# Altium PCB Team02TH.PcbDoc
Units mm, origin at the board's own origin, x right, y up, seen from the top; angles counter-clockwise.
Board outline 85 x 80 mm, 2 copper layers (Top Layer, Bottom Layer); 56 components, 37 nets, 186 pads, 18 vias.
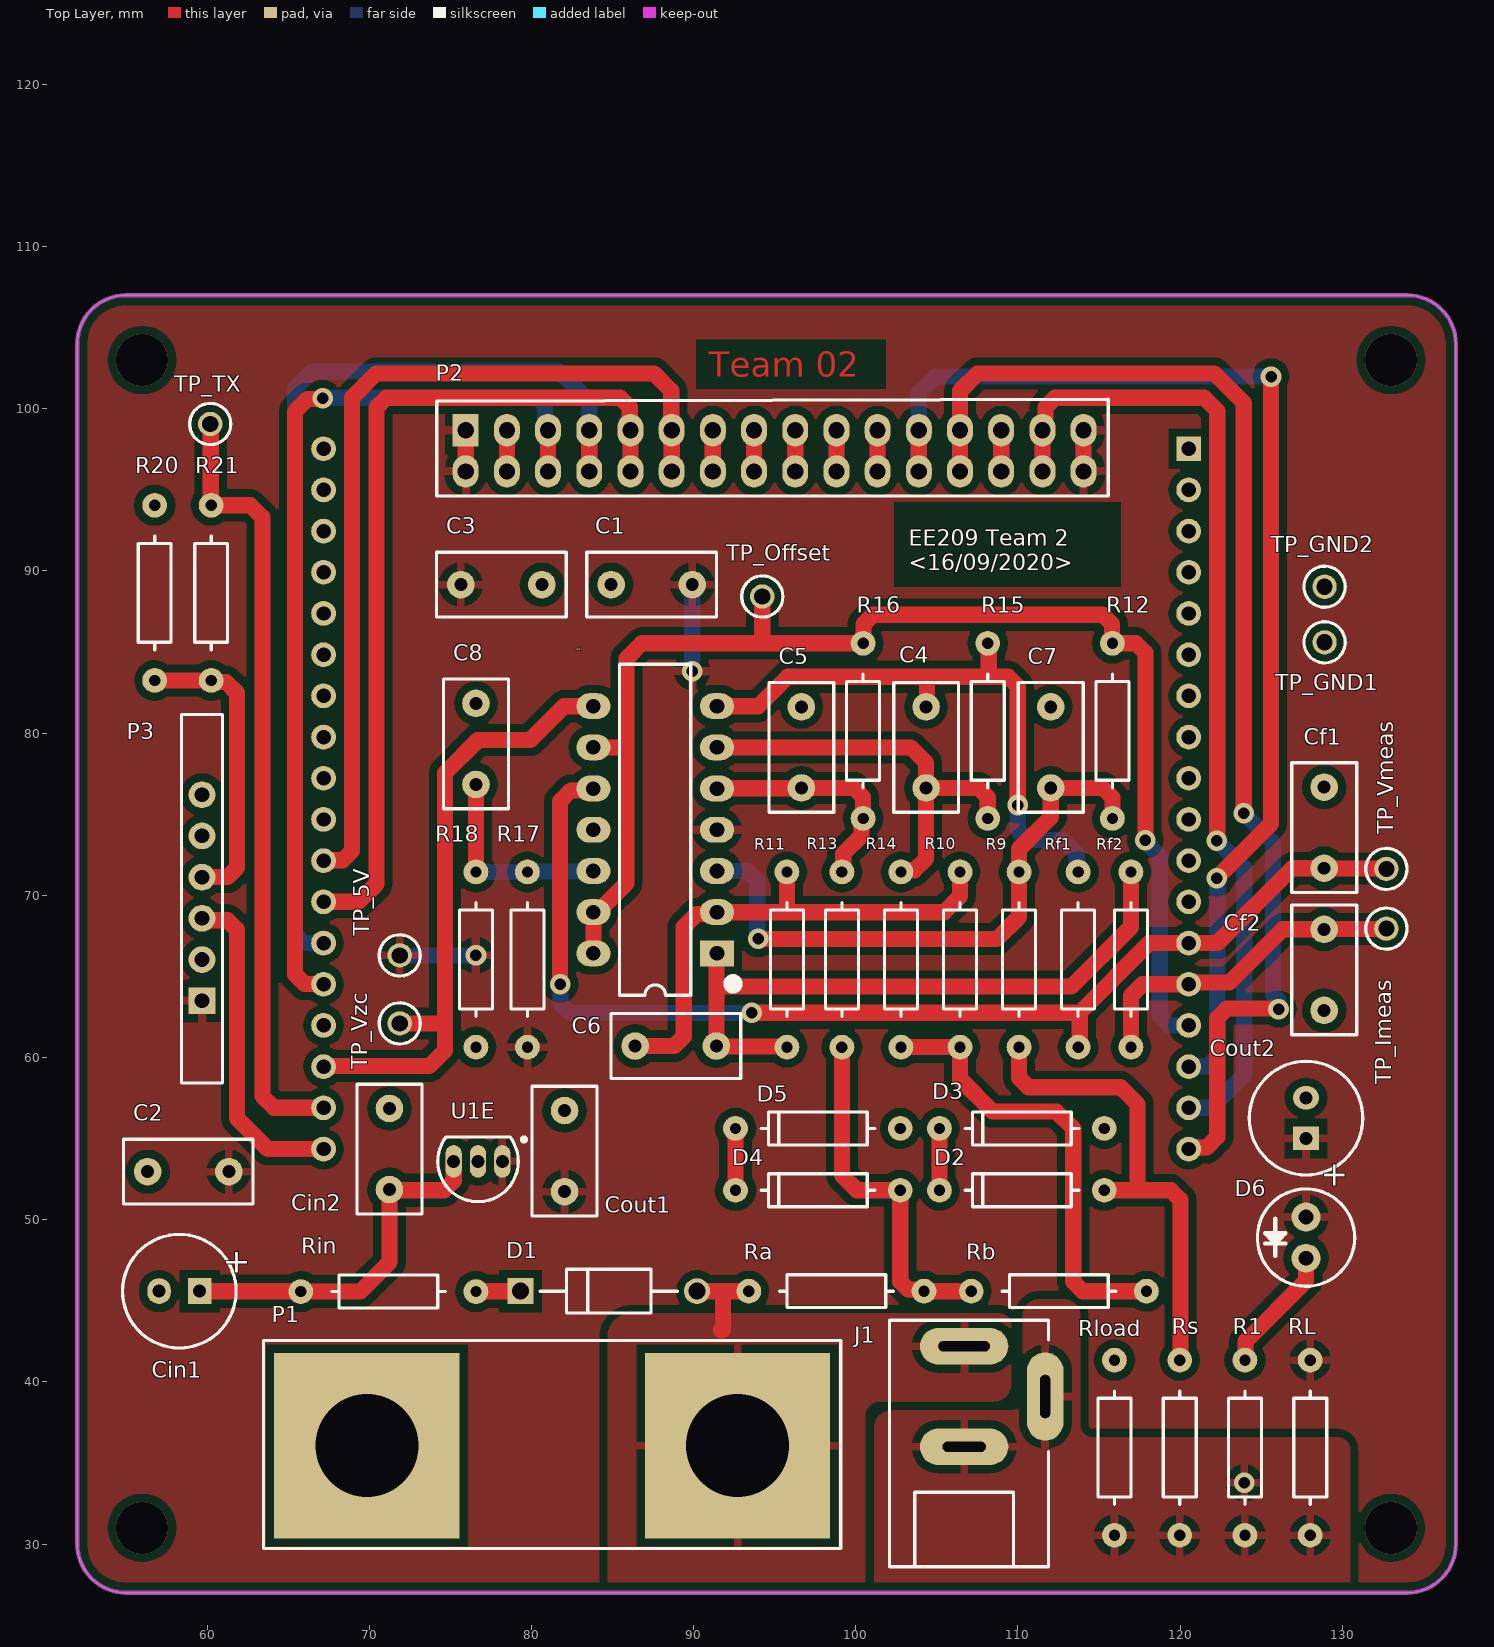
[diagram p0: Top Layer view]
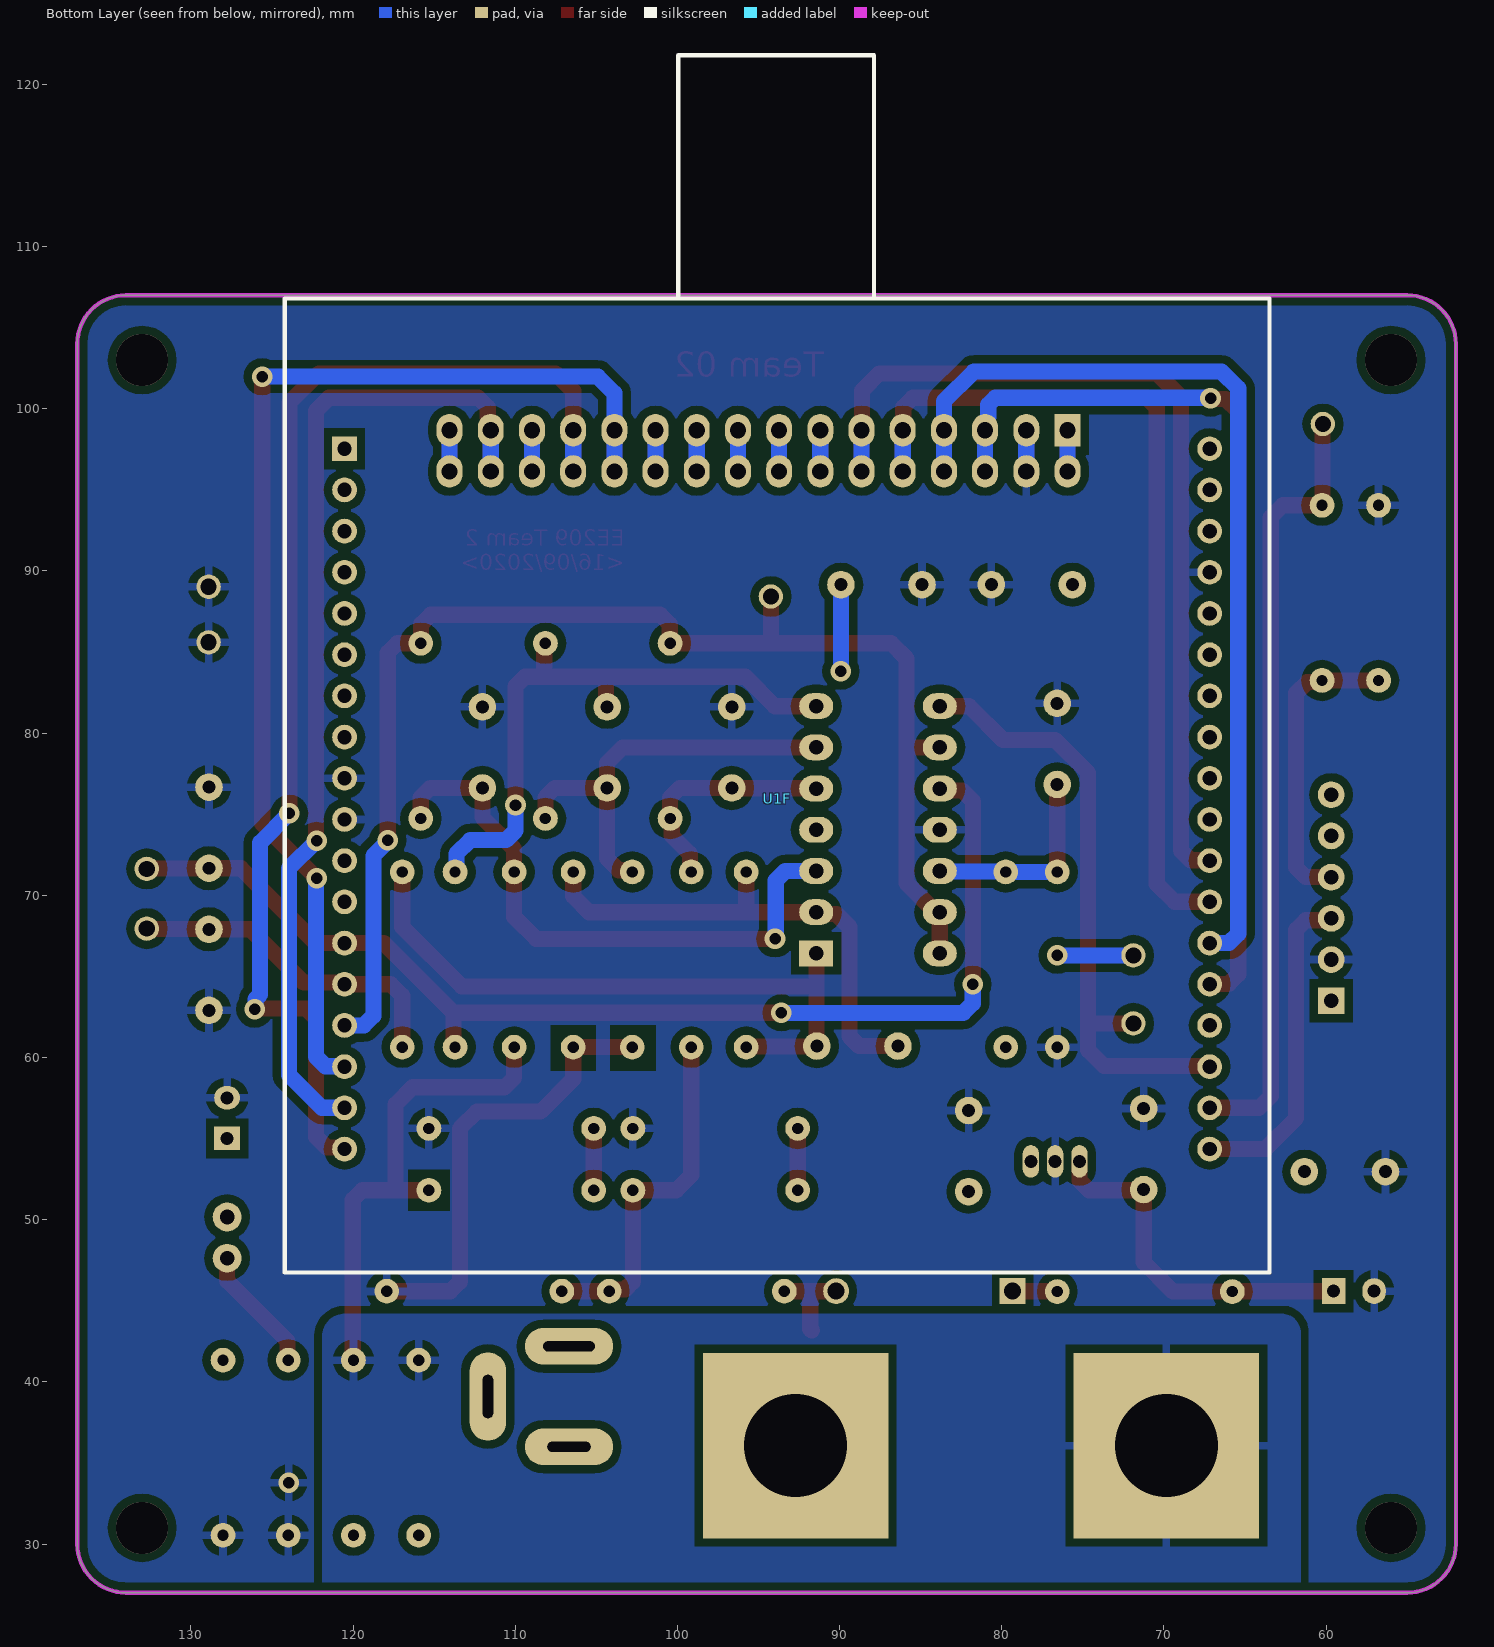
[diagram p1: Bottom Layer view, seen from below]

## Layer stack, top to bottom
Top Solder: solder mask 0.0102, Solder Resist, Dk 3.5
Top Layer: signal copper 0.0356
Dielectric 1: dielectric 0.32, FR-4, Dk 4.8
Bottom Layer: signal copper 0.0356
Bottom Solder: solder mask 0.0102, Solder Resist, Dk 3.5

## Board outline
52,30 ccw(c55,30) 55,27 134,27 ccw(c134,30) 137,30 137,104 ccw(c134,104) 134,107 55,107 ccw(c55,104) 52,104

## Design rules (kind name [scope] priority, off if disabled: settings)
Clearance [All] p1: gap=0.5 ignorepadtopadclearanceinfootprint=FALSE
Height [All] p1: minheight=0 maxheight=100 prefheight=12.7
HoleSize [All] p1: absolutevalues=TRUE maxlimit=10 minlimit=0.5 maxpercent=80.000 minpercent=20.000
PolygonConnect [All] p1: connectstyle=Relief reliefconductorwidth=0.5 reliefentries=4 polygonreliefangle="90 Angle" airgapwidth=0.5
RoutingVias [All] p1: holewidth=0.711 width=1.27 viastyle="Through Hole" minholewidth=0.711 minwidth=1.27 maxholewidth=0.711 maxwidth=1.27
SilkToSilkClearance [All] p1: silktosilkclearance=0.1
SilkToSolderMaskClearance [IsPad] p1: minsilkscreentomaskgap=0.1 clearancetoexposedcopper=TRUE
SolderMaskExpansion [All] p1: expansion=0.102 istentingtop=FALSE
Width [All] p1: maxlimit=10 minlimit=0.5 preferedwidth=1
26 further rules are at their usual default settings.

## Components (designator, comment, footprint, x,y, rotation, side; value= is the part's Value field where it differs from the comment)
C1 "100n" CCAP-5P0 87.416,89.154 r180 top
C2 "100n" CCAP-5P0 58.841,52.959 r180 top
C3 "100n" CCAP-5P0 78.145,89.154 r0 top
C4 "100n" CCAP-5P0 104.334,79.121 r270 top
C5 "100n" CCAP-5P0 96.647,79.121 r90 top
C6 "100n" CCAP-5P0 88.9,60.706 r180 top
C7 "100n" CCAP-5P0 112.021,79.121 r90 top
C8 "100n" CCAP-5P0 76.581,79.335 r90 top
Cf1 "4n8" CCAP-5P0 128.881,74.168 r90 top value=4n7
Cf2 "4n8" CCAP-5P0 128.881,65.405 r270 top value=4n7
Cin1 "470u" "CAP-RAD-2.5mm Pitch" 58.293,45.593 r180 top value=47u
Cin2 "100n" CCAP-5P0 71.247,54.356 r90 top
Cout1 "100n" CCAP-5P0 82.042,54.229 r90 top
Cout2 "470u" "CAP-RAD-2.5mm Pitch" 127.762,56.261 r90 top value=27u
D1 "1N4007" 1N4007-MFG 84.77,45.593 r0 top
D2 "BZX79-CXVX" AXIAL-Zener-0.4 110.241,51.816 r180 top
D3 "BZX79-CXVX" AXIAL-Zener-0.4 110.241,55.626 r180 top
D4 "BZX79-CXVX" AXIAL-Zener-0.4 97.663,51.816 r180 top
D5 "BZX79-CXVX" AXIAL-Zener-0.4 97.663,55.626 r180 top
D6 "Green" LED 127.762,48.895 r270 top
J1 "DC barrel jack" AC-Socket 106.68,36.195 r90 top locked value=socket
P1 "Dual Banana Plugs" "Dual Banana Plug" 81.28,36.068 r180 top
P2 "Display" Display 93.726,97.409 r180 top locked
P3 "BLE Module Header" HM10_HDR1X6 59.69,63.5 r90 top
R1 "270" AXIAL-0.4 123.994,35.941 r90 top
R9 "22k" AXIAL-0.4 110.067,66.04 r90 top
R10 "22k" AXIAL-0.4 106.426,66.04 r90 top
R11 "56k" AXIAL-0.4 95.758,66.04 r270 top
R12 "56k" AXIAL-0.4 115.824,80.137 r270 top
R13 "1k5" AXIAL-0.4 99.145,66.04 r90 top
R14 "4k7" AXIAL-0.4 102.785,66.04 r90 top
R15 "4k7" AXIAL-0.4 108.137,80.137 r90 top
R16 "4k7" AXIAL-0.4 100.45,80.137 r270 top
R17 "18k" AXIAL-0.4 79.756,66.04 r270 top
R18 "13k" AXIAL-0.4 76.581,66.04 r90 top
R20 "33k" AXIAL-0.4 56.769,88.646 r270 top
R21 "18k" AXIAL-0.4 60.253,88.646 r90 top
Ra "56k" AXIAL-0.4 98.806,45.593 r180 top
Rb "3k3" AXIAL-0.4 112.522,45.593 r180 top
Rf1 "33k" AXIAL-0.4 113.707,66.04 r270 top
Rf2 "33k" AXIAL-0.4 116.967,66.04 r270 top
Rin "33" AXIAL-0.4 71.181,45.568 r180 top
RL "100" AXIAL-0.4 128.016,35.941 r90 top
Rload "1R0" AXIAL-0.4 115.951,35.941 r90 top
Rs "1R0" AXIAL-0.4 119.973,35.941 r270 top
TP_5V "5003" TP_TH 71.882,66.294 r90 top
TP_GND1 "5003" TP_TH 128.905,85.598 r90 top
TP_GND2 "5003" TP_TH 128.905,89.027 r90 top
TP_Imeas "5003" TP_TH 132.715,67.945 r90 top
TP_Offset "5003" TP_TH 94.234,88.424 r90 top
TP_TX "5003" TP_TH 60.198,99.06 r90 top
TP_Vmeas "5003" TP_TH 132.715,71.628 r90 top
TP_Vzc "5003" TP_TH 71.882,62.103 r90 top
U1 "LM324" DIP-14 87.63,74.041 r180 top
U1E "L78L05ACZ" TO-92 76.708,53.594 r90 top
U1F "ATmega328PB Xplained Mini Header" "ATmeg328P Xplained" 93.853,75.946 r180 bottom locked

## Footprints (in the part's own frame and the unit in brackets; to place one, negate y for a bottom-side part, rotate by r counter-clockwise, add the part's x,y. Pads: shape width x height; smd on the part's side, far side on the other; paste and mask are expansions set on the pad)
1N4007-MFG [mm]
  round 1.6 hole 1.05 paste-1000 mask+0: 1(5.438,0)
  rect 1.6x1.6 hole 1.05 paste-1000 mask+0: 2(-5.438,0)
  silkscreen extent -4.24,-1.35 4.24,1.35, body extent -6.34,-1.45 6.34,1.45, height 0.25
AC-Socket [mm]
  oval 2.25x5.45 hole 0.635 slot 3.175 at 90 deg: 1(6,0)
  oval 5.45x2.25 hole 0.635 slot 2.667 at 0 deg: 2(2.9,-5)
  oval 2.25x5.45 hole 0.635 slot 2.667 at 90 deg: 3(-0.2,0)
  silkscreen extent -7.6,-5.2 7.6,4.6, body extent -6.7,-5 6,4.2, height 10.5
"ATmeg328P Xplained" [mil]
  rect 60x60 hole 35: 1(-1050,850)
  round 60 hole 35: 2(-1050,750) 3(-1050,650) 4(-1050,550) 5(-1050,450) 6(-1050,350) 7(-1050,250) 8(-1050,150) 9(-1050,50) 10(-1050,-50) 11(-1050,-150) 12(-1050,-250) 13(-1050,-350) 14(-1050,-450) 15(-1050,-550) 16(-1050,-650) 17(-1050,-750) 18(-1050,-850) 19(1050,-850) 20(1050,-750) 21(1050,-650) 22(1050,-550) 23(1050,-450) 24(1050,-350) 25(1050,-250) 26(1050,-150) 27(1050,-50) 28(1050,50) 29(1050,150) 30(1050,250) 31(1050,350) 32(1050,450) 33(1050,550) 34(1050,650) 35(1050,750) 36(1050,850)
  silkscreen extent -1195,-1150 1195,1805, body extent -1201,-1150 1161,1845, height 452
AXIAL-0.4 [mm]
  round 1.524 hole 0.7: 1(-5.4,0) 2(5.4,0)
  silkscreen extent -3.5,-1.02 3.5,1.02, body extent -5.7,-1.3 5.7,1.3, height 2.7
AXIAL-Zener-0.4 [mil]
  round 60 hole 27.56: 1(-200,0) 2(200,0)
  silkscreen extent -138,-40 138,40, body extent -211,-52 211,52, height 92
"CAP-RAD-2.5mm Pitch" [mm] "Cap 6.3 X 11.2"
  rect 1.45x1.6 hole 0.8: 1(-1.25,0)
  oval 1.45x1.6 hole 0.8: 2(1.25,0)
  silkscreen extent -3.5,-3.5 3.5,3.5, body extent -3.15,-3.15 3.15,3.15, height 11.5
CCAP-5P0 [mm]
  round 1.7 hole 0.8: 1(-2.5,0) 2(2.5,0)
  silkscreen extent -4,-2 4,2, body extent -3.25,-1.5 3.25,1.5, height 6.5
DIP-14 [mm] "DIP; 14 Leads; Row Spacing 7.62 mm; Pitch 2.54 mm"
  rect 2.1x1.6 hole 0.9: 1(-3.81,7.62)
  oval 2.1x1.6 hole 0.9: 2(-3.81,5.08) 3(-3.81,2.54) 4(-3.81,0) 5(-3.81,-2.54) 6(-3.81,-5.08) 7(-3.81,-7.62) 8(3.81,-7.62) 9(3.81,-5.08) 10(3.81,-2.54) 11(3.81,0) 12(3.81,2.54) 13(3.81,5.08) 14(3.81,7.62)
  silkscreen extent -5.1,-10.2 2.2,10.2, body extent -5.07,-10.2 5.09,10.12, height 9.47
Display [mm]
  rect 1.6x2 hole 1: 1(17.78,-1.27)
  oval 1.6x2 hole 1: 2(17.78,1.27) 3(15.24,-1.27) 4(15.24,1.27) 5(12.7,-1.27) 6(12.7,1.27) 7(10.16,-1.27) 8(10.16,1.27) 9(7.62,-1.27) 10(7.62,1.27) 11(5.08,-1.27) 12(5.08,1.27) 13(2.54,-1.27) 14(2.54,1.27) 15(0,-1.27) 16(0,1.27) 17(-2.54,-1.27) 18(-2.54,1.27) 19(-5.08,-1.27) 20(-5.08,1.27) 21(-7.62,-1.27) 22(-7.62,1.27) 23(-10.16,-1.27) 24(-10.16,1.27) 25(-12.7,-1.27) 26(-12.7,1.27) 27(-15.24,-1.27) 28(-15.24,1.27) 29(-17.78,-1.27) 30(-17.78,1.27) 31(-20.32,-1.27) 32(-20.32,1.27)
  silkscreen extent -21.84,-3.18 19.56,2.79, body extent -32.6,-50 26.4,4, height 13
"Dual Banana Plug" [mm] "Connector; 2 Position"
  rect 11.43x11.43 hole 6.35: 1(-11.43,0) 2(11.43,0)
  silkscreen extent -17.8,-6.48 17.8,6.35, body extent -17.38,-5.99 17.43,5.99, height 5.5
HM10_HDR1X6 [mil] "Connector; Header; 6 Position"
  rect 65x65 hole 35.43: 1(0,0)
  round 65 hole 35.43: 2(100,0) 3(200,0) 4(300,0) 5(400,0) 6(500,0)
  silkscreen extent -200,-50 695,50, body extent -142,-39 571,228, height 1843
LED [mil]
  round 70 hole 35.43: 1(-50,0) 2(50,0)
  silkscreen extent -118,-118 118,118, body extent -98,-98 98,98, height 413
TO-92 [mm] "TO, Flat Index; 3 In-Line, Axial Leads; Body Dia. 4.5mm; Leads 0.51 x 0.48 mm (max)"
  oval 2x1 hole 0.8: 1(0,-1.5) 2(0,0) 3(0,1.5)
  silkscreen extent -2.48,-2.96 1.5,2.48, body extent -2.4,-2.4 1.53,2.4, height 6.73
TP_TH [mm] "Test Point, Through Hole, Dia 2.54mm"
  round 1.5 hole 1: 1(0,0)
  silkscreen extent -1.27,-1.27 1.27,1.27, body extent -1.27,-1.27 1.27,1.27, height 4.57

## Part data
C1 C2 C3 C4 C5 C6 C7 C8 Cf1 Cf2 Cin2 Cout1: library part CerCap_TH_5P0, "SMT ceramic capacitor 0805 size"
Cin1 Cout2: library part ElecCap_TH_2P0, "Electrolytic capacitor with radial package, 2mm pitch and 5.2mm diameter", LatestRevisionDate=17-Jul-2002, LatestRevisionNote="Re-released for DXP Platform.", PackageDescription="Polarized Capacitor; 2 Leads", PackageReference=POLAR0.8, Published=8-Jun-2000, Publisher="Altium Limited"
D1: library part 1N4007_TH_4AX0, "1N4007 1000V standard axial diode", Supplier Part Number 1=1N4007RLGOSCT-ND, ComponentLink1Description=https://www.fairchildsemi.com/datasheets/1N/1N914.pdf, ComponentLink1URL=https://www.fairchildsemi.com/datasheets/1N/1N914.pdf, Supplier 1=Digi-Key
D2 D3 D4 D5: library part Zener_TH_4AX0, "Axial zener diode BZX79 series", Manufacturer="Nexperia USA Inc.", Manufacturer Part Number=BZX79-C4V7,143, Operating Temperature="-65癈 ~ 200癈", Package / Case="DO-204AH, DO-35, Axial", Supplier Device Package=DO-35, Supplier Part Number 1=1727-1864-1-ND, Tolerance=?%, Category="Discrete Semiconductor Products", ComponentLink1Description=https://assets.nexperia.com/documents/data-sheet/BZX79.pdf, ComponentLink1URL=https://assets.nexperia.com/documents/data-sheet/BZX79.pdf, Mounting Type="Through Hole", Packaging="Cut Tape (CT)", Part Status=Active, Pricing 1="1=0.23, 10=0.206, 100=0.1123, 500=0.06912, 1000=0.04714 (NZD)", RoHS="RoHS Compliant", Stock 1=8933, Supplier 1=Digi-Key
D6: library part LED_TH_2P54, "Typical throughole GaAs LED with 2.54mm pitch", Manufacturer="Generic Components", Class I=Optoelectronic, Class II=LED, Published=8-Jun-2000, Publisher="Altium Limited", Revision="July-2002: Re-released for DXP Platform."
J1: library part AC_Input, "DC barrel jack connection to AC source"
P1: library part AC_Output, "Dual banana plugs connection to the AC load", LatestRevisionDate=17-Jul-2002, LatestRevisionNote="Re-released for DXP Platform.", Publisher="Altium Limited"
P2: "16-Pin Header Connecting Display"
P3: library part BLEModule_TH, "2.54mm pitch 6-pin header for BLE module", LatestRevisionDate=17-Jul-2002, LatestRevisionNote="Re-released for DXP Platform.", Publisher="Altium Limited"
R1 R9 R10 R11 R12 R13 R14 R15 R16 R17 R18 R20 R21 Ra Rb Rf1 Rf2 Rin RL Rload Rs: library part Res_TH_0AX4, "Through hole resistor", ComponentLink1Description=http://www.royalohm.com/pdf/product2017/PrecisionMetalMF.pdf, LatestRevisionDate=17-Jul-2002, LatestRevisionNote="Re-released for DXP Platform.", PackageReference=AXIAL-0.4, Published=8-Jun-2000, Publisher="Altium Limited"
TP_5V TP_GND1 TP_GND2 TP_Imeas TP_Offset TP_TX TP_Vmeas TP_Vzc: library part TestPoint, "Test Point, Orange, 1-Pin THD, RoHS", Forward Current="3 A", Forward Voltage="1.08 V", Max Operating Temperature="150 degC", Max Surge Current="80 A", Min Operating Temperature="-65 degC", Package Quantity=500, Peak Reverse Current="600 uA", ComponentLink1Description="Manufacturer URL", ComponentLink1URL=http://www.keyelco.com/, ComponentLink2Description=Datasheet, ComponentLink2URL=http://keyelco.com/userAssets/file/M65p56.pdf, DatasheetVersion=Jun-15, Diameter="5.3 mm", Height="0.25 inch", Length="9.5 mm", Mount="Through Hole", PackageDescription="1-Pin Through Hole Device, Dia 2.54 mm", PackageReference=5003, Packaging=Bulk, Pins=2, Radiation Hardening=No, REACH SVHC="No SVHC", RoHSCompliant=true, Weight="0.01 lb", Width="0.25 inch"
U1: library part LM324N_TH_DIP16, "IC OPAMP GP 14DIP", Current - Supply=1mA, Manufacturer="ON Semiconductor", Manufacturer Part Number=LM324N, Operating Temperature="0癈 ~ 70癈", Package / Case="14-DIP (0.300\", 7.62mm)", Supplier Device Package=14-DIP, Supplier Part Number 1=LM324NFS-ND, Voltage - Supply, Single/Dual (?="3 V ~ 32 V, ?.5 V ~ 16 V", Amplifier Type="General Purpose", Base Part Number=LM324, Category="Integrated Circuits (ICs)", ComponentLink1Description=https://www.fairchildsemi.com/datasheets/LM/LM2902.pdf, ComponentLink1URL=https://www.fairchildsemi.com/datasheets/LM/LM2902.pdf, Mounting Type="Through Hole", Output Type=-, Packaging=Tube, Part Status=Active, Pricing 1="1=0.9, 10=0.775, 100=0.5789, 500=0.45482, 1000=0.35145 (NZD)", RoHS="RoHS Compliant", Slew Rate=-, Stock 1=2900, Supplier 1=Digi-Key
U1E: library part L78L05_TH_TO92, "Voltage Regulator 5V", Base Part Number=LM78L05, Current - Output=100mA, Manufacturer="ON Semiconductor", Manufacturer Part Number=LM78L05ACZX, Operating Temperature="-40癈 ~ 125癈", Package / Case="TO-226-3, TO-92-3 (TO-226AA) (Formed Leads)", Supplier Device Package=TO-92-3, Supplier Part Number 1=LM78L05ACZXCT-ND, Voltage - Input (Max)=30V, Voltage - Output (Max)=-, Voltage - Output (Min/Fixed)=5V, Category="Integrated Circuits (ICs)", ComponentLink1Description=https://www.fairchildsemi.com/datasheets/MC/MC78L05A.pdf, ComponentLink1URL=https://www.fairchildsemi.com/datasheets/MC/MC78L05A.pdf, Control Features=-, Mounting Type="Through Hole", Output Configuration=Positive, Output Type=Fixed, Packaging="Cut Tape (CT)", Part Status=Active, Pricing 1="1=0.69, 10=0.517, 100=0.3226, 500=0.2207, 1000=0.16976 (NZD)", Protection Features="Over Temperature, Short Circuit", PSRR="80dB (120Hz)", RoHS="RoHS Compliant", Stock 1=7782, Supplier 1=Digi-Key, Voltage Dropout (Max)=-
U1F: library part ATmega328PBXplained_TH, "Dual 18-pin headers connecting to ATmega328PB Xplained Mini", Manufacturer="Microchip Technology", Manufacturer Part Number=ATMEGA328PB-XMINI, Operating System=-, Supplier Part Number 1=ATMEGA328PB-XMINI-ND, Board Type="Evaluation Platform", Category="Development Boards, Kits, Programmers", ComponentLink1Description=http://www.microchip.com/mymicrochip/filehandler.aspx?ddocname=en589665, ComponentLink1URL=http://www.microchip.com/mymicrochip/filehandler.aspx?ddocname=en589665, Contents=Board(s), Core Processor=AVR, For Use With/Related Products=ATmega328P, Mounting Type=Fixed, Part Status=Active, Platform="ATmega328P Xplained Mini", Pricing 1="1=15.11 (NZD)", RoHS="RoHS Compliant", Stock 1=454, Supplier 1=Digi-Key, Type="MCU 8-Bit"

## Via types
v1: diameter 1.27, hole 0.711, Top Layer to Bottom Layer, 14 vias
v2: diameter 3.2, hole 3.2, Top Layer to Bottom Layer, 4 vias

## Nets (pads, with @x,y where several pads share a name; then routed paths per layer and width w, separated by ;. In a path a pad name is that pad's centre, name@x,y a point inside that pad or via, vN(x,y) a via of type N, cw(c..) or ccw(c..) an arc to the next point about the centre after c; other vN are vias at no path point)
5V: C1.1 C2.1 C3.1 Cout1.1 Cout2.1 D6.1 P2.1 P2.2 P2.31 P2.32 P3.1 R17.2 RL.2 TP_5V.1 U1.4 U1E.1 | length 20.2
  Top Layer w1: P2.2 P2.1 ; P2.32 P2.31
  Bottom Layer w1: TP_5V.1 v1(76.581,66.294) ; P2.2 P2.1 ; v1(89.916,83.82) C1.1 ; P2.32 P2.31
DS1: P2.5 P2.6 U1F.23 | length 58.9
  Top Layer w1: U1F.23@66.675,64.516 66.652,64.539 66.007,64.539 65.421,65.125 65.421,99.838 66.187,100.604 67.076,100.604 v1(67.127,100.655) ; P2.6 P2.5
  Bottom Layer w1: v1(67.127,100.655) 67.151,100.679 80.406,100.679 80.833,100.252 80.833,99.496 80.911,99.418 80.911,98.794 P2.5 P2.6
DS2: P2.7 P2.8 U1F.24 | length 61.8
  Top Layer w1: P2.8 P2.7
  Bottom Layer w1: U1F.24 67.176,67.063 65.991,67.063 65.421,67.633 65.421,101.261 66.45,102.29 81.733,102.29 83.566,100.457 P2.7 P2.8
DS3: P2.9 P2.10 U1F.25 | length 55.9
  Top Layer w1: U1F.25 69.342,69.596 70.445,70.699 70.445,100.074 71.05,100.679 85.482,100.679 86.068,100.093 86.068,98.717 P2.9 ; P2.10 P2.9 ; P2.9@86.106,98.885 P2.9
  Bottom Layer w1: P2.10 P2.9
DS4: P2.11 P2.12 U1F.26 | length 58.2
  Top Layer w1: U1F.26 67.206,72.159 68.359,72.159 68.945,72.745 68.945,100.695 70.429,102.179 87.559,102.179 88.618,101.12 88.618,98.707 P2.11 P2.12
  Bottom Layer w1: P2.12 P2.11
GND: C1.2 C2.2 C3.2 C5.2 C7.2 C8.2 Cf1.2 Cf2.2 Cin1.2 Cin2.2 Cout1.2 Cout2.2 D3.1 D5.1 J1.2 J1.3 P2.3 P2.4 P3.2 R1.1 R10.1 R14.1 R18.1 R20.1 Rb.1 RL.1 Rload.1 Rs.2 TP_GND1.1 TP_GND2.1 U1.11 U1E.2 U1F.9 U1F.10 U1F.33 | length 33.1
  Top Layer w1: P2.4 P2.3 ; R14.1 R10.1 106.426,58.674 108.434,56.666 112.371,56.666 113.411,55.626 113.411,46.179 113.997,45.593 Rb.1
  Bottom Layer w1: P2.4 P2.3
  other v1: 123.952,33.782
Imeas: Cf2.1 Rf2.2 TP_Imeas.1 U1F.14 | length 20.6
  Top Layer w1: Rf2.2 116.967,63.803 117.68,64.516 U1F.14 120.623,64.616 123.036,64.616 126.325,67.905 Cf2.1 128.901,67.925 132.695,67.925 TP_Imeas.1
LED1: P2.13 P2.14 | length 5.1
  Top Layer w1: P2.14 P2.13
  Bottom Layer w1: P2.14 P2.13
LED2: P2.15 P2.16 | length 5.1
  Top Layer w1: P2.16 P2.15
  Bottom Layer w1: P2.16 P2.15
LED3: P2.17 P2.18 | length 5.1
  Top Layer w1: P2.18 P2.17
  Bottom Layer w1: P2.18 P2.17
LED4: P2.19 P2.20 | length 5.1
  Top Layer w1: P2.20 P2.19
  Bottom Layer w1: P2.20 P2.19
NetC4_1: C4.1 R15.2 Rf1.1 U1.7 | length 37.8
  Top Layer w1: U1.7 93.99,81.661 95.8,83.471 104.394,83.471 ; C4.1 104.394,81.681 104.394,83.471 ; R15.2 108.204,85.47 108.204,83.471 ; v1(109.982,75.565) 109.982,82.885 109.396,83.471 108.204,83.471 ; 104.394,83.471 108.204,83.471
  Bottom Layer w1: v1(109.982,75.565) 109.982,73.992 110.568,73.406 112.776,73.406 113.625,72.557 113.625,71.522 Rf1.1
NetC4_2: C4.2 R14.2 R15.1 U1.6 | length 26.4
  Top Layer w1: U1.6 103.378,79.121 104.334,78.165 C4.2 ; R14.2 102.886,71.54 103.612,71.54 104.334,72.262 C4.2 ; R15.1 108.137,76.035 107.551,76.621 C4.2
NetC5_1: C5.1 R13.2 R16.2 U1.5 | length 14.4
  Top Layer w1: U1.5 91.46,76.601 96.627,76.601 C5.1 99.864,76.621 100.45,76.035 R16.2 100.35,74.637 100.35,73.68 99.227,72.557 99.227,71.522 R13.2
NetC6_1: C6.1 R11.2 Rf2.1 U1.1 | length 40.7
  Top Layer w1: U1.1 91.42,66.401 91.42,64.135 ; R11.2 95.725,60.673 91.433,60.673 C6.1 91.42,60.726 91.42,64.135 ; Rf2.1 116.967,68.046 113.304,64.383 91.668,64.383 91.42,64.135
NetC6_2: C6.2 R10.2 R11.1 U1.2 | length 31.8
  Top Layer w1: C6.2 88.804,60.706 89.39,61.292 89.39,68.047 90.189,68.846 91.325,68.846 U1.2 95.758,68.961 ; R11.1 95.758,68.961 ; R10.2 106.426,69.939 105.448,68.961 95.758,68.961
NetC7_1: C7.1 R9.2 R12.2 U1.3 | length 37.1
  Top Layer w1: v1(93.98,67.31) 108.712,67.31 110.067,68.665 110.067,72.856 112.021,74.81 C7.1 115.238,76.621 115.824,76.035 R12.2
  Bottom Layer w1: U1.3 93.343,71.501 93.928,70.915 93.928,67.362 v1(93.98,67.31)
NetC8_1: C8.1 R17.1 R18.2 U1.12 | length 12.7
  Top Layer w1: R18.2 C8.1
  Bottom Layer w1: R18.2 R17.1 79.787,71.47 83.789,71.47 U1.12
NetCin1_1: Cin1.1 Cin2.1 Rin.2 U1E.3 | length 22.4
  Top Layer w1: Cin1.1 59.556,45.58 65.768,45.58 Rin.2 69.444,45.568 71.247,47.371 Cin2.1 71.287,51.816 74.622,51.816 75.208,52.402 U1E.3
NetD1_2: D1.2 Rin.1 | length 2.8
  Top Layer w1: Rin.1 76.594,45.58 79.319,45.58 D1.2
NetD2_2: D2.2 D3.2 | length 3.8
  Top Layer w1: D2.2 D3.2
NetD4_2: D4.2 D5.2 | length 3.8
  Top Layer w1: D4.2 D5.2
NetD6_2: D6.2 R1.2 | length 7.8
  Top Layer w1: R1.2 124.034,41.381 124.034,42.5 127.762,46.228 D6.2
NetP3_4: P3.4 R20.2 R21.1 | length 18.6
  Top Layer w1: R20.2 R21.1 60.353,83.146 61.175,83.146 61.849,82.472 61.849,71.706 61.263,71.12 P3.4
OE: P2.27 P2.28 | length 5.1
  Top Layer w1: P2.28 P2.27
  Bottom Layer w1: P2.28 P2.27
Offset: R12.1 R16.1 TP_Offset.1 U1.9 U1.13 U1.14 U1F.15 | length 84.3
  Top Layer w1: U1.14 U1.13 84.013,69.154 84.269,69.154 85.87,70.755 85.87,79.121 ; U1.9 85.87,79.121 ; TP_Offset.1 94.234,85.537 ; R12.1@115.801,85.56 115.801,86.713 115.215,87.299 101.059,87.299 100.473,86.713 100.473,85.56 R16.1 94.234,85.537 ; R12.1 117.27,85.537 117.856,84.951 v1(117.856,73.406) ; 85.87,79.121 85.87,84.6 86.807,85.537 94.234,85.537
  Bottom Layer w1: v1(117.856,73.406) 117.856,73.333 118.745,72.444 118.745,62.562 119.331,61.976 U1F.15
RX: P3.3 U1F.19 | length 19.7
  Top Layer w1: P3.3 59.815,68.455 61.263,68.455 61.849,67.87 61.849,56.261 63.754,54.356 U1F.19@66.675,54.356
SH_CP: P2.23 P2.24 U1F.16 | length 74.9
  Top Layer w1: P2.24 P2.23 ; v1(122.244,71.063) 125.603,74.422 v1(125.603,101.981)
  Bottom Layer w1: P2.24 P2.23 103.886,100.965 104.902,101.981 v1(125.603,101.981) ; U1F.16 120.546,59.459 121.699,59.459 122.285,60.045 122.285,71.022 v1(122.244,71.063)
SH_DS: P2.29 P2.30 U1F.17 | length 63.7
  Top Layer w1: P2.30 P2.29 111.621,98.794 111.621,99.418 111.699,99.496 111.699,100.093 112.285,100.679 121.482,100.679 122.285,99.876 122.285,73.416 v1(122.244,73.375)
  Bottom Layer w1: P2.30 P2.29 ; U1F.17 121.92,56.896 123.952,58.928 123.952,71.668 v1(122.244,73.375)
SH_ST: P2.25 P2.26 U1F.18 | length 77.9
  Top Layer w1: P2.26 P2.25 106.426,101.092 107.513,102.179 122.103,102.179 123.92,100.362 v1(123.92,75.051) ; U1F.18 120.614,54.447 121.63,54.447 122.285,55.102 122.285,62.43 122.871,63.016 126.035,63.016 v1(126.066,62.985)
  Bottom Layer w1: P2.26 P2.25 ; v1(123.92,75.051) 125.73,73.241 125.73,63.881 126.014,63.597 126.014,63.037 v1(126.066,62.985)
SRCLR: P2.21 P2.22 | length 5.1
  Top Layer w1: P2.22 P2.21
  Bottom Layer w1: P2.22 P2.21
TX: R21.2 TP_TX.1 U1F.20 | length 47.8
  Top Layer w1: TP_TX.1 60.225,99.033 60.225,94.073 R21.2 62.672,94.046 63.413,93.305 63.413,57.618 64.135,56.896 U1F.20@66.675,56.896
Vin: D1.1 J1.1 P1.1 Ra.2 | length 6.6
  Top Layer w1: D1.1 91.807,45.593 ; 91.694,43.18 ccw(c91.694,43.293) 91.807,43.293 91.807,45.593 ; P1.1@92.329,36.068 92.71,36.449 P1.1 ; Ra.2 91.807,45.593
Vis: D2.1 P1.2 R9.1 Rload.2 Rs.1 | length 30
  Top Layer w1: R9.1 110.067,58.752 110.652,58.166 116.332,58.166 117.375,57.123 117.375,51.816 ; D2.1 117.375,51.816 ; Rs.1 120.015,41.383 120.015,51.23 119.429,51.816 117.375,51.816
Vmeas: Cf1.1 Rf1.2 TP_Vmeas.1 U1.10 U1F.13 | length 71.9
  Top Layer w1: v1(81.788,64.516) 81.77,64.534 81.77,75.801 82.435,76.466 83.705,76.466 U1.10 ; v1(93.59,62.748) 93.607,62.765 113.808,62.765 ; Rf1.2 113.808,60.74 113.808,62.765 ; TP_Vmeas.1 132.688,71.655 128.894,71.655 Cf1.1 126.913,71.668 122.301,67.056 118.098,67.056 113.808,62.765
  Bottom Layer w1: v1(81.788,64.516) 81.788,63.334 82.374,62.748 v1(93.59,62.748)
Vvs: D4.1 R13.1 Ra.1 Rb.2 | length 22.1
  Top Layer w1: R13.1 99.145,52.747 100.076,51.816 D4.1 102.743,46.179 103.229,45.693 104.106,45.693 Ra.1 Rb.2
Vzc: TP_Vzc.1 U1.8 U1F.21 | length 38.7
  Top Layer w1: U1F.21 67.215,59.468 73.692,59.468 74.676,60.452 74.676,62.103 ; TP_Vzc.1 74.676,62.103 ; U1.8 82.01,81.661 79.922,79.574 76.703,79.574 74.676,77.546 74.676,62.103
pads on no net: P3.5 P3.6 U1F.1 U1F.2 U1F.3 U1F.4 U1F.5 U1F.6 U1F.7 U1F.8 U1F.11 U1F.12 U1F.22 U1F.27 U1F.28 U1F.29 U1F.30 U1F.31 U1F.32 U1F.34 U1F.35 U1F.36
copper on no net:
  other v2: 56,31 133,31 56,103 133,103

## Polygon pours and split planes (outlines as drawn)
5V on Top Layer "5V_L01_P027" (solid, pour order 27): 52,27 52,104.46 cw(c54.54,104.46) 54.54,107 134.46,107 cw(c134.46,104.46) 137,104.46 137,29.54 cw(c134.46,29.54) 134.46,27
GND on Top Layer "GND_L01_P015" (solid, pour order 15): 101.15,27.015 101.15,37.22 cw(c102.166,37.22) 102.166,38.236 109.532,38.236 ccw(c109.532,38.998) 110.294,38.998 110.294,44.078 cw(c111.31,44.078) 111.31,45.094 112.834,45.094 cw(c112.834,44.078) 113.85,44.078 113.85,37.347 ccw(c114.612,37.347) 114.612,36.585 129.725,36.585 cw(c129.725,35.823) 130.487,35.823 130.487,27.015
Vin on Top Layer "VIN_L01_P026" (solid, pour order 26): 84.705,27.091 84.705,43.053 cw(c86.25,42.664) 85.988,44.236 108.835,44.236 cw(c108.835,43.474) 109.597,43.474 109.597,39.918 cw(c108.454,39.918) 108.454,38.775 101.469,38.775 ccw(c101.469,37.886) 100.58,37.886 100.58,27.091
GND on Bottom Layer "GND_L02_P023" (solid, pour order 23): 137,27 137,104.46 ccw(c134.46,104.46) 134.46,107 52,107 52,29.54 ccw(c54.54,29.54) 54.54,27
Vis on Bottom Layer "VIS_L02_P019" (solid, pour order 19): 61.575,26.794 61.575,43.05 cw(c62.718,43.05) 62.718,44.193 120.503,44.193 cw(c120.503,42.796) 121.9,42.796 121.9,26.794

## Keep-outs
Keep-Out Layer:
  the board outline again, w0.254

## Other copper
Top Layer:
  pour cut-out: 102.362,94.234 116.332,94.234 116.332,89.027 102.362,89.027
  text "Team 02" at 90.932,101.981 h1.52
  text "EE209 Team 2 / <16/09/2020>" at 103.251,90.043 h1
Bottom Layer:
  pour cut-out: 114.046,53.086 116.586,53.086 116.586,50.546 114.046,50.546
  pour cut-out: 105.029,61.976 107.823,61.976 107.823,59.182 105.029,59.182
  pour cut-out: 104.013,59.436
  pour cut-out: 101.346,61.976 104.14,61.976 104.14,59.182 101.346,59.182

## Silkscreen, mask and mechanical layers (free items; w line width, h text height)
Top Overlay:
  text "EE209 Team 2 / <16/09/2020>" at 103.251,90.043 h1

## Text inside footprints (layer, text, board x,y; h text height)
Cin1: Top Overlay "+" at 62.693,47.993 h1.5 r180
Cout2: Top Overlay "+" at 130.162,51.861 h1.5 r90